# KiCad board ElonMux.kicad_pcb
title: EmuxAssemblyDocument; date: 2024-04-13; rev: 1.1; company: ${COMPANY}; note: Board2Pdf: FABRICATION_TOP - Page 1/9
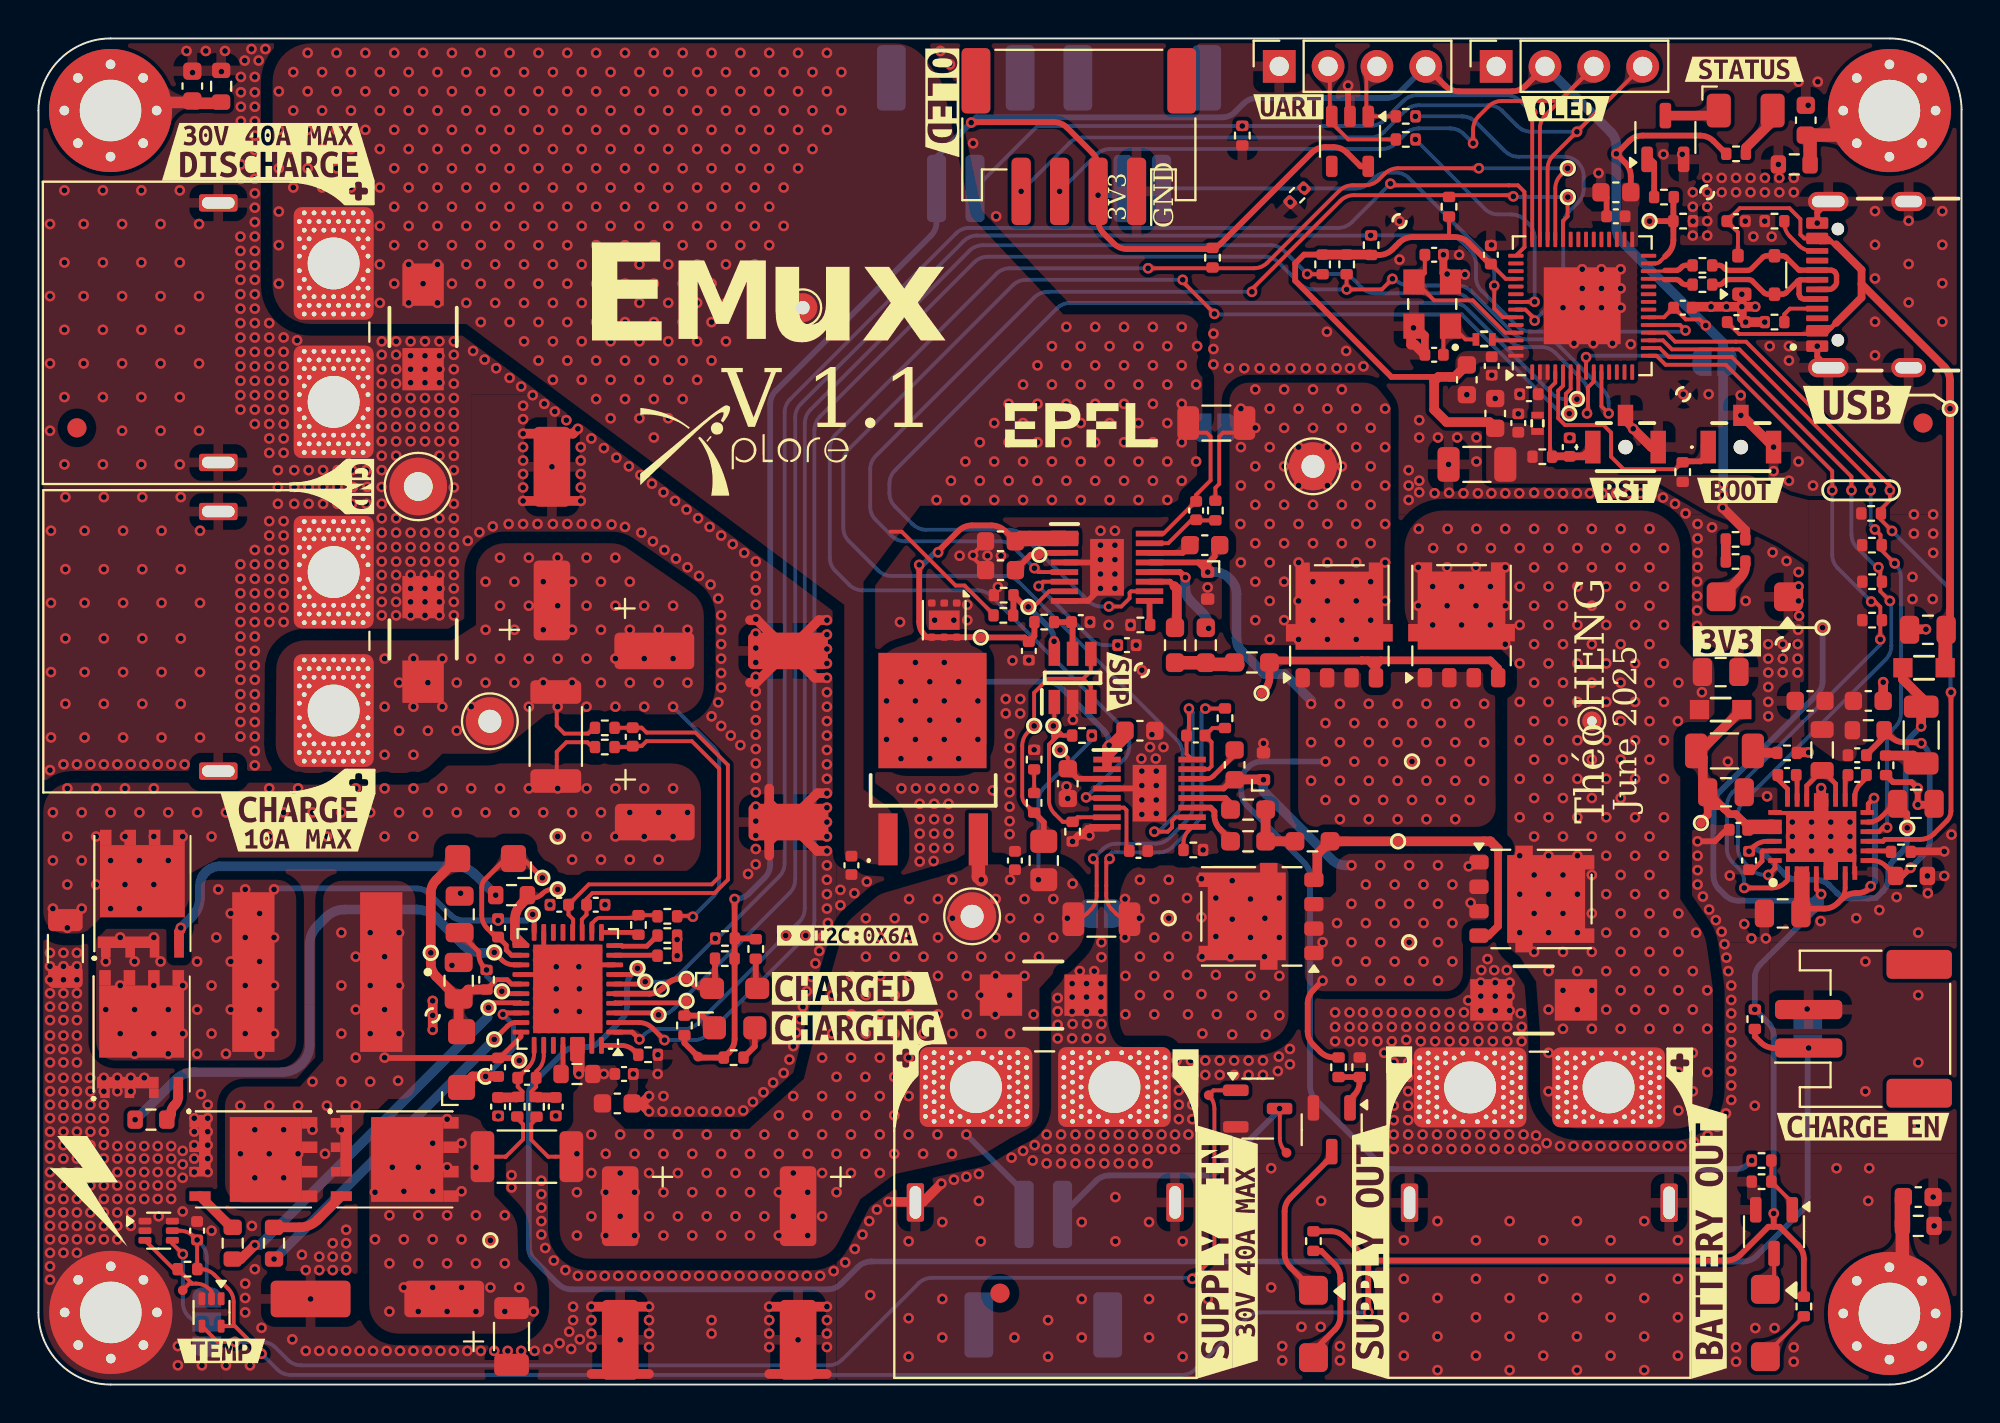
[diagram p0: board, top side]
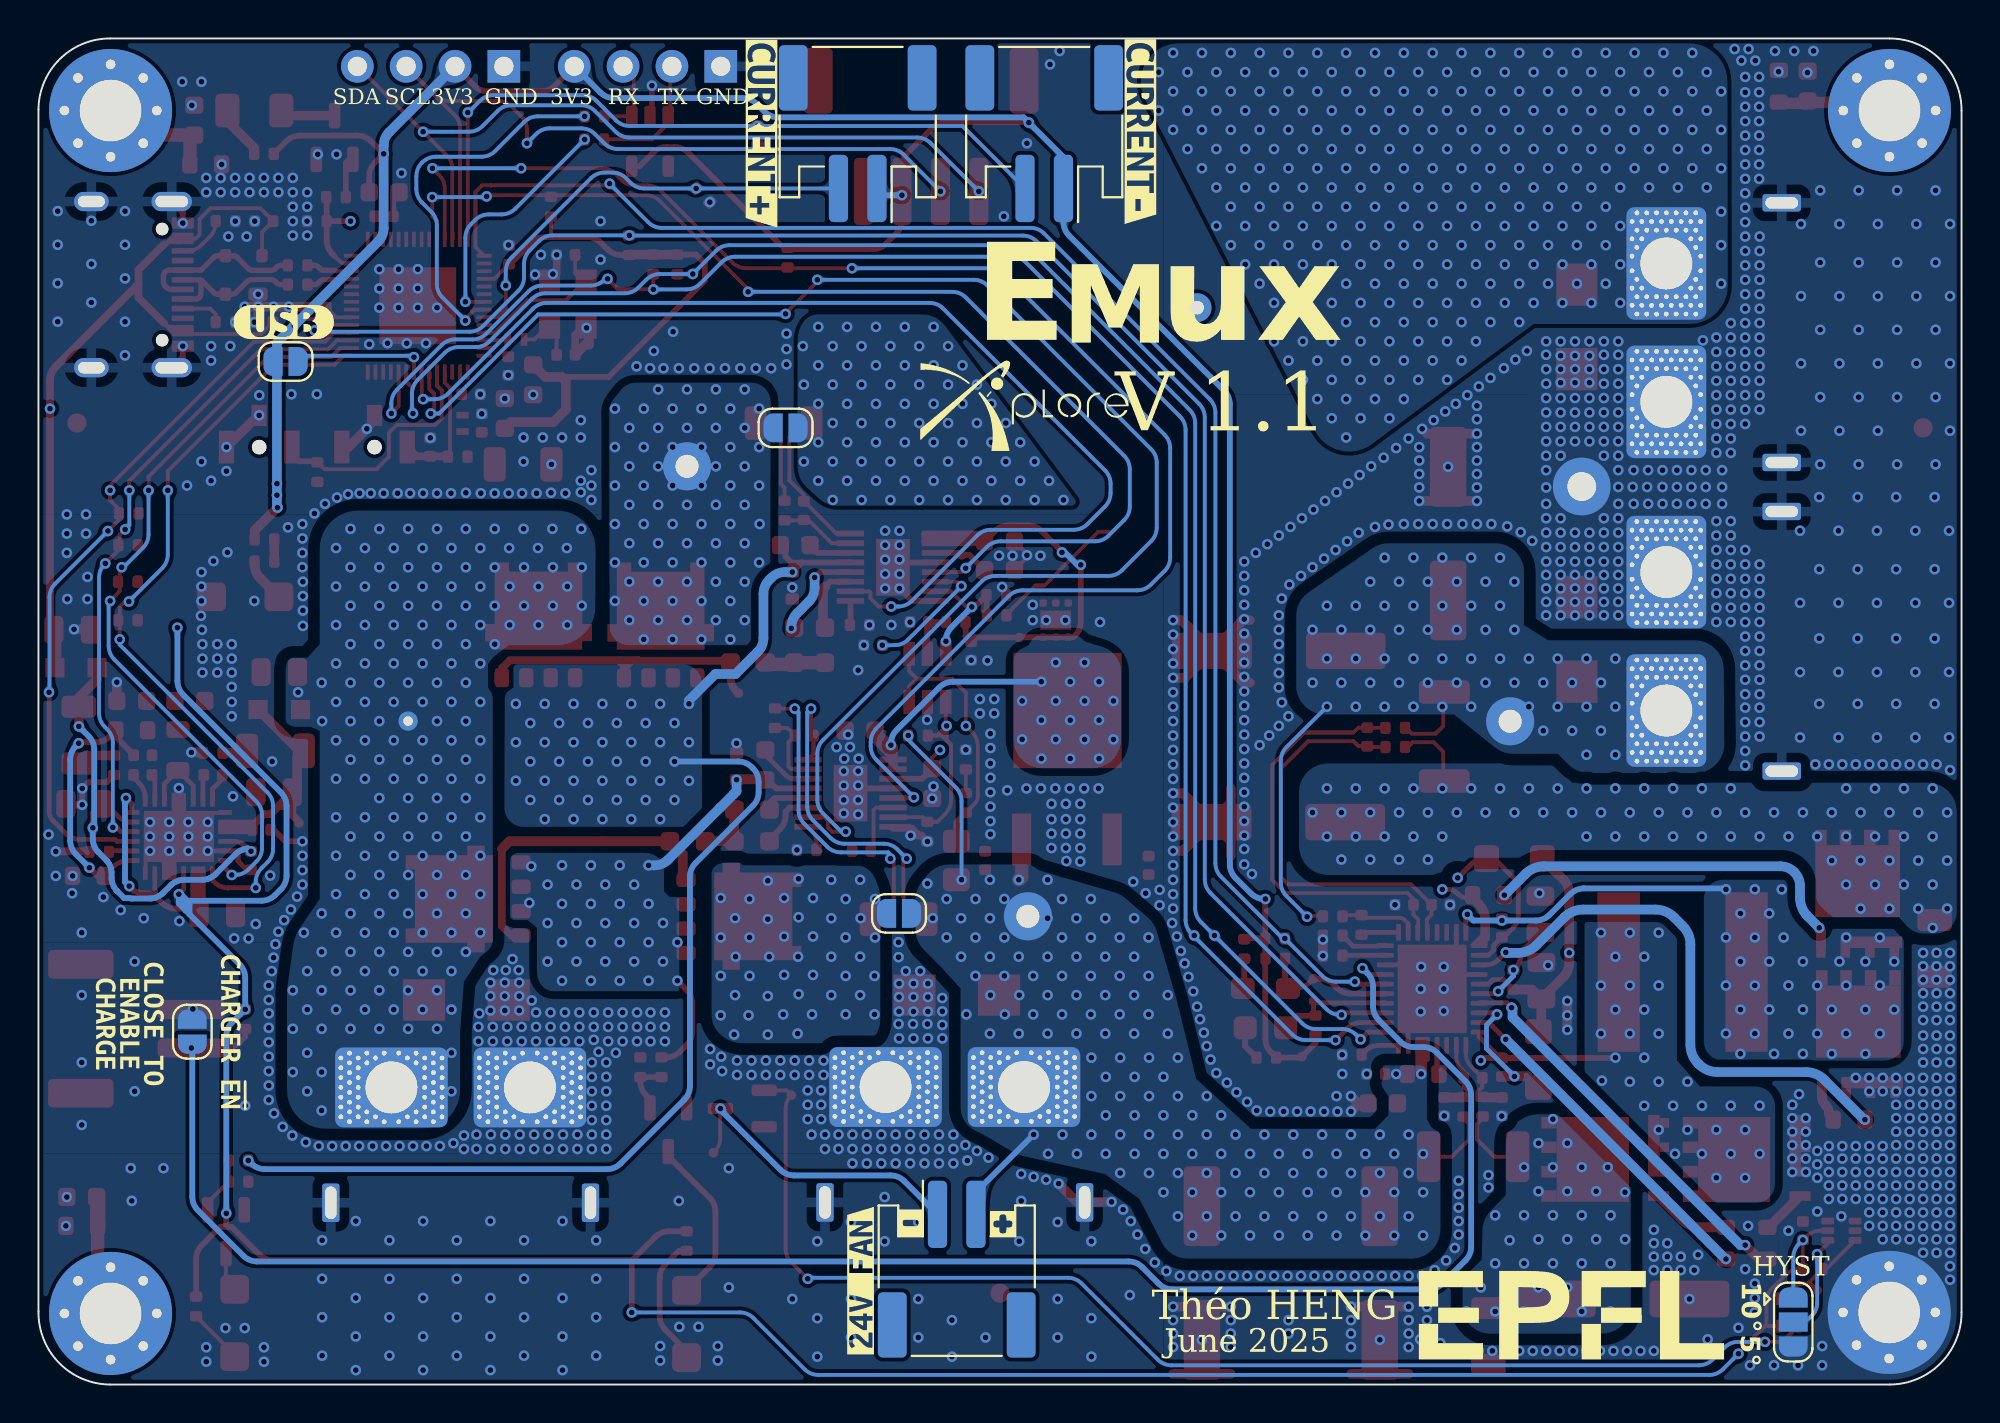
[diagram p1: board, bottom side, seen from below]

Outline 100 x 70 mm; copper layers: L1 (Sig, PWR), L2 (GND) (plane), L3 (GND) (plane), L4 (Sig, PWR). Coordinates in mm from the lower left corner of the outline.
Outline path: 0,66.25 arc(1.1,68.9) 3.75,70 96.28,70 arc(98.9,68.92) 100,66.3 100,3.8 arc(98.93,1.13) 96.28,0 3.75,0 arc(1.1,1.1) 0,3.75 0,66.25
Stack: L1 (Sig, PWR) 0.07mm / dielectric 0.203mm FR4_7628 er 4.29 / L2 (GND) 0.03mm / dielectric 1.03mm FR4 er 4.6 / L3 (GND) 0.03mm / dielectric 0.203mm FR4_7628 er 4.29 / L4 (Sig, PWR) 0.07mm

## Placement (name value [footprint] x y rotation side)
C401  1u X7R 50V  [C_0603_1608Metric]  82.03 62 180 top
C402  100n X7R 50V  [C_0402_1005Metric]  82.03 60.75 180 top
C403  10u X7R 50V  [C_1206_3216Metric]  74.8 47.85 180 top
C404  1u X7R 50V  [C_0603_1608Metric]  75.75 50.5 90 top
C405  100n X7R 50V  [C_0402_1005Metric]  76.95 50 90 top
C406  100n X7R 50V  [C_0402_1005Metric]  77.5 51.5 180 top
C407  100n X7R 50V  [C_0402_1005Metric]  85.5 56 0 top
C408  100n X7R 50V  [C_0402_1005Metric]  75.53 58.75 90 top
C409  10p C0G (NP0) 50V  [C_0402_1005Metric]  72.57 53.55 0 top
C410  10p C0G (NP0) 50V  [C_0402_1005Metric]  72.57 58.75 180 top
C411  1u X7R 50V  [C_0603_1608Metric]  74.28 52.25 270 top
C412  100n X7R 50V  [C_0402_1005Metric]  75.57 52.97 270 top
C413  100n X7R 50V  [C_0402_1005Metric]  79.62 48.75 90 top
C601  100n X7R 50V  [C_0402_1005Metric]  90.93 31.7 180 top
C602  100n X7R 50V  [C_0402_1005Metric]  94.57 31.7 0 top
C603  4u7 X7R 50V  [C_0805_2012Metric]  87.47 37.05 0 top
C604  10u X7R 50V  [C_1206_3216Metric]  87.68 32.95 0 top
C605  4u7 X7R 50V  [C_0805_2012Metric]  87.75 30.8 0 top
C606  100n X7R 50V  [C_0402_1005Metric]  88.4 28.85 180 top
C607  10p X7R 25V  [C_0402_1005Metric]  94.57 32.73 180 top
C608  22u X5R 10V  [C_0603_1608Metric]  92.12 35.55 0 top
C609  22u X5R 10V  [C_0603_1608Metric]  95.15 35.55 180 top
C610  4u7 X7R 50V  [C_0805_2012Metric]  98.25 39.25 180 top
C611  10u X7R 50V  [C_1206_3216Metric]  97.9 33.78 270 top
C612  4u7 X7R 50V  [C_0805_2012Metric]  97.62 30.2 0 top
C613  100n X7R 50V  [C_0402_1005Metric]  88.95 27.25 270 top
C614  4u7 X7R 50V  [C_0805_2012Metric]  90.7 24.5 180 top
C701  56u 63V  [CP_Elec_8x11.9]  39.5 5.8 270 top
C702  56u 63V  [CP_Elec_8x11.9]  30.25 5.8 270 top
C703  56u 63V  [CP_Elec_8x11.9]  17.62 4.45 180 top
C704  10u X7R 50V  [C_1206_3216Metric]  24.6 2.5 90 top
C705  10u X7R 50V  [C_1206_3216Metric]  1.4 22.68 90 top
C706  56u 63V  [CP_Elec_8x11.9]  35.53 29.25 0 top
C707  56u 63V  [CP_Elec_8x11.9]  26.7 44.25 90 top
C708  56u 63V  [CP_Elec_8x11.9]  35.5 38.15 0 top
C709  470n X7R 50V  [C_0402_1005Metric]  25.4 15.95 180 top
C710  100n X7R 50V  [C_0402_1005Metric]  23.9 16.5 270 top
C711  100n X7R 50V  [C_0402_1005Metric]  23.9 23.75 270 top
C712  470n X7R 50V  [C_0402_1005Metric]  30.9 33.68 90 top
C713  100n X7R 50V  [C_0402_1005Metric]  26.9 14.45 270 top
C714  100n X7R 50V  [C_0402_1005Metric]  23.9 14.45 270 top
C715  100n X7R 50V  [C_0402_1005Metric]  27.08 24.95 180 top
C716  100n X7R 50V  [C_0402_1005Metric]  28.98 24.95 0 top
C717  1u X7R 50V  [C_0603_1608Metric]  30.1 14.62 0 top
C718  100n X7R 50V  [C_0402_1005Metric]  30.45 16.15 0 top
C719  4u7 X7R 50V  [C_0805_2012Metric]  21.85 21 90 top
C720  4u7 X7R 50V  [C_0805_2012Metric]  21.9 24.45 90 top
C801  10n X7R 50V  [C_0402_1005Metric]  54.2 39.65 180 top
C802  100n X7R 50V  [C_0402_1005Metric]  60.18 33.75 180 top
C803  100n X7R 50V  [C_0402_1005Metric]  60.2 45.45 90 top
C805  150n X7R 50V  [C_0603_1608Metric]  60.65 43.65 0 top
C806  100n X7R 50V  [C_0402_1005Metric]  57.2 27.75 0 top
C807  100n X7R 50V  [C_0402_1005Metric]  56.6 38.45 0 top
C808  100n X7R 50V  [C_0402_1005Metric]  42.28 27 270 top
C809  100n X7R 50V  [C_0402_1005Metric]  50.78 27.25 90 top
C810  100n X7R 50V  [C_0402_1005Metric]  51.5 38.15 270 top
C811  1u X7R 50V  [C_0603_1608Metric]  57.28 34 0 top
C812  1u X7R 50V  [C_0603_1608Metric]  53.53 31.25 270 top
C813  1u X7R 50V  [C_0603_1608Metric]  50.03 43.85 180 top
C814  1u X7R 50V  [C_0603_1608Metric]  50.03 42.35 180 top
C815  150n X7R 50V  [C_0603_1608Metric]  62.2 32.23 270 top
C901  100n X7R 50V  [C_0402_1005Metric]  8.25 8 90 top
C1001  100n X7R 50V  [C_0402_1005Metric]  88.29 55.25 0 top
C1002  100n X7R 50V  [C_0402_1005Metric]  88.28 60.5 0 top
C1201  1n X7R 1kV  [C_0603_1608Metric]  91.9 65.75 90 top
C1202  1n X7R 1kV  [C_0603_1608Metric]  97.75 9.75 0 top
C1203  1n X7R 1kV  [C_0603_1608Metric]  8 67.53 90 top
D501  SMBJ30A  [DIOM5436X244N]  52.25 20.25 0 top
D502  SMBJ30A  [DIOM5436X244N]  20 38.75 90 top
D503  SMBJ30A  [DIOM5436X244N]  20 55 270 top
D504  SMBJ30A  [DIOM5436X244N]  77.75 20 180 top
D701  V1FM10-M3/H  [D_SMF]  22 16.9 90 top
D702  V1FM10-M3/H  [D_SMF]  23.25 27.35 180 top
D801  -  [STPS15L60CB-TR]  46.53 32.5 90 top
D802  ZHCS350TA  [D_SOD-523]  63.7 32.15 90 top
D803  ZHCS350TA  [D_SOD-523]  60.8 41.55 270 top
D1001  ESDS314  [SOT-23-5-TEXAS]  68.2 64.65 270 top
D1002  PRTR5V0U2X  [SOT-143]  89.32 57.7 90 top
FB601  1k @ 100MHz  [742792096]  87.47 35.1 0 top
FB602  1k @ 100MHz  [742792096]  98.05 37.28 180 top
FM1201  Fiducial  [Fiducial_1mm_Mask2mm]  2 49.75 0 top
FM1202  Fiducial  [Fiducial_1mm_Mask2mm]  50 4.75 0 top
FM1203  Fiducial  [Fiducial_1mm_Mask2mm]  98 50 0 top
H1201  M3 (3.2mm)  [MountingHole_3.2mm_M3_Pad_Via]  96.25 66.25 0 top
H1202  M3 (3.2mm)  [MountingHole_3.2mm_M3_Pad_Via]  3.76 3.75 0 top
H1203  M3 (3.2mm)  [MountingHole_3.2mm_M3_Pad_Via]  96.25 3.7 0 top
H1204  M3 (3.2mm)  [MountingHole_3.2mm_M3_Pad_Via]  3.75 66.25 0 top
IC601  LTC3126IUFD#PBF  [LTC3126EUFD]  92.7 28.5 90 top
IC801  -  [LTC7000EMSE#PBF]  57.78 30.75 0 top
IC802  -  [LTC7000EMSE#PBF]  55.56 42.5 0 top
IC803  -  [TPS3701DDCR]  53.78 36.75 90 top
IC901  TMP302AQDRLRQ1  [SOT-563]  6.25 8 0 top
J501  XT60PW-M  [AMASS_XT60PW-M_1x02_P7.20mm_Horizontal]  52.57 15.53 180 top
J502  XT60PW-F  [AMASS_XT60PW-F_1x02_P7.20mm_Horizontal]  15.35 42.25 90 top
J503  XT60PW-M  [AMASS_XT60PW-M_1x02_P7.20mm_Horizontal]  15.41 54.48 90 top
J504  XT60PW-F  [AMASS_XT60PW-F_1x02_P7.20mm_Horizontal]  74.44 15.45 180 top
J701  S2B-PH-SM4-TB  [JST_PH_S2B-PH-SM4-TB_1x02-1MP_P2.00mm_Horizontal]  94.9 18.5 90 top
J901  S2B-PH-SM4-TB  [JST_PH_S2B-PH-SM4-TB_1x02-1MP_P2.00mm_Horizontal]  52.25 6 180 bottom
J1001  Conn_01x04  [JST_PH_S4B-PH-SM4-TB_1x04-1MP_P2.00mm_Horizontal]  54.1 64.9 180 top
J1002  Conn_01x04  [PinSocket_1x04_P2.54mm_Vertical]  75.8 68.55 90 top
J1003  Conn_01x04  [PinSocket_1x04_P2.54mm_Vertical]  64.52 68.55 90 top
J1004  USB4105-GF-A  [GCT_USB4105-GF-A]  97.25 57.2 90 top
J1005  S2B-PH-SM4-TB  [JST_PH_S2B-PH-SM4-TB_1x02-1MP_P2.00mm_Horizontal]  47.7 65.05 0 bottom
J1006  S2B-PH-SM4-TB  [JST_PH_S2B-PH-SM4-TB_1x02-1MP_P2.00mm_Horizontal]  57.4 65.05 0 bottom
JP401  Solder Jumper  [SolderJumper-2_P1.3mm_Open_RoundedPad1.0x1.5mm]  87.15 53.2 0 bottom
JP701  Solder Jumper  [SolderJumper-2_P1.3mm_Open_RoundedPad1.0x1.5mm]  92 18.35 90 bottom
JP801  SolderJumper_2_Open  [SolderJumper-2_P1.3mm_Open_RoundedPad1.0x1.5mm]  55.25 24.5 0 bottom
JP802  SolderJumper_2_Open  [SolderJumper-2_P1.3mm_Open_RoundedPad1.0x1.5mm]  61.15 49.75 0 bottom
JP901  SolderJumper_3_Open  [SolderJumper-3_P1.3mm_Open_RoundedPad1.0x1.5mm]  8.75 3.25 270 bottom
kibuzzard-672E4F7C  G***  [kibuzzard-672E4F7C]  86.88 7.45 90 top
kibuzzard-672E4F45  G***  [kibuzzard-672E4F45]  69.22 6.9 90 top
kibuzzard-684AD619  G***  [kibuzzard-684AD619]  56.2 36.55 270 top
kibuzzard-684C4A32  G***  [kibuzzard-684C4A32]  47 66.65 270 top
kibuzzard-684C4E0B  G***  [kibuzzard-684C4E0B]  79.4 66.35 0 top
kibuzzard-684C4E37  G***  [kibuzzard-684C4E37]  65 66.45 0 top
kibuzzard-684C4F97  G***  [kibuzzard-684C4F97]  62.4 65.05 270 bottom
kibuzzard-684C4FDB  G***  [kibuzzard-684C4FDB]  42.7 65.15 270 bottom
kibuzzard-687E97C9  G***  [kibuzzard-687E97C9]  9.5 1.75 0 top
kibuzzard-687E961C  G***  [kibuzzard-687E961C]  96.5 18.75 270 bottom
kibuzzard-687E963C  G***  [kibuzzard-687E963C]  95.25 18.75 270 bottom
kibuzzard-687E9610  G***  [kibuzzard-687E9610]  94 18.75 270 bottom
kibuzzard-6791A6CC  G***  [kibuzzard-6791A6CC]  16.8 46.7 270 top
kibuzzard-6791A8B2  G***  [kibuzzard-6791A8B2]  16.65 31.3 0 top
kibuzzard-6791A89C  G***  [kibuzzard-6791A89C]  45.1 16.98 90 top
kibuzzard-6791A89C#2  G***  [kibuzzard-6791A89C]  16.64 62.06 0 top
kibuzzard-6791A316  G***  [kibuzzard-6791A316]  13.5 29.9 0 top
kibuzzard-6791A418  G***  [kibuzzard-6791A418]  11.95 63.45 0 top
kibuzzard-6791AB96  G***  [kibuzzard-6791AB96]  85.35 16.73 90 top
kibuzzard-6791AB96#2  G***  [kibuzzard-6791AB96]  49.85 8.35 270 bottom
kibuzzard-6874CF1D  G***  [kibuzzard-6874CF1D]  62.75 6.88 90 top
kibuzzard-6874CF3E  G***  [kibuzzard-6874CF3E]  11.95 64.95 0 top
kibuzzard-6874E9F8  G***  [kibuzzard-6874E9F8]  57.25 5.4 90 bottom
kibuzzard-67681CCF  G***  [kibuzzard-67681CCF]  87.25 55.25 180 bottom
kibuzzard-67929D82  G***  [kibuzzard-67929D82]  13.5 28.38 0 top
kibuzzard-67929F6A  G***  [kibuzzard-67929F6A]  42.45 20.6 0 top
kibuzzard-67929F71  G***  [kibuzzard-67929F71]  42.7 18.55 0 top
kibuzzard-67929FDE  G***  [kibuzzard-67929FDE]  88.7 68.4 0 top
kibuzzard-67955FDB  G***  [kibuzzard-67955FDB]  70.75 16.88 0 top
kibuzzard-67955FDB#2  G***  [kibuzzard-67955FDB]  59.65 16.73 0 top
kibuzzard-67955FDB#3  G***  [kibuzzard-67955FDB]  54.65 8.4 0 bottom
kibuzzard-67976BE0  G***  [kibuzzard-67976BE0]  43.05 23.35 0 top
kibuzzard-671813D9  G***  [kibuzzard-671813D9]  87.8 38.65 0 top
kibuzzard-676056D8  G***  [kibuzzard-676056D8]  94.88 13.41 0 top
kibuzzard-679196AC  G***  [kibuzzard-679196AC]  90 18.35 270 bottom
kibuzzard-67180105  G***  [kibuzzard-67180105]  94.57 50.95 0 top
kibuzzard-67181757  G***  [kibuzzard-67181757]  82.53 46.5 0 top
kibuzzard-67181780  G***  [kibuzzard-67181780]  88.53 46.5 0 top
kibuzzard-67956077  G***  [kibuzzard-67956077]  61.18 6.89 90 top
L401  2n (0.1n)  [LQG15WH2N0B02D]  77.95 49.99 90 top
L402  24n 2%  [MHQ1005P24NGTD25]  75.18 54.35 0 top
L601  4u7  [L_0805_2012Metric]  92.75 33 90 top
L701  3u3  [78439369033]  14.5 21.45 270 top
LED601  RED  [BIVAR_LED_1206]  89.25 40.97 180 top
LED701  GREEN  [KingBright_LED_0805]  36.2 20.6 0 top
LED702  ORANGE  [BIVAR_LED_0805]  36.2 18.55 0 top
LED801  RED  [BIVAR_LED_1206]  66.3 3.15 270 top
LED802  RED  [BIVAR_LED_1206]  89.8 3.2 270 top
LED1101  YELLOW  [LED_1206_3216Metric]  88.78 66.25 0 top
NT701  NetTie_IN+  [NetTie-2_SMD_Pad0.2mm]  26.7 11.85 0 top
NT702  NetTie_IN-  [NetTie-2_SMD_Pad0.2mm]  24.1 11.85 180 top
NT703  NetTie_OUT+  [NetTie-2_SMD_Pad0.2mm]  26.95 32.7 270 top
NT704  NetTie_OUT-  [NetTie-2_SMD_Pad0.2mm]  26.95 34.45 90 top
NT801  NetTie_shunt_supply+  [NetTie-2_SMD_Pad0.2mm]  55.03 25.75 90 top
NT802  NetTie_shunt_bat-  [NetTie-2_SMD_Pad0.2mm]  55.53 25.75 90 top
NT803  NetTie_TS1  [NetTie-2_SMD_Pad0.5mm]  64.2 30.35 315 bottom
NT804  NetTie_TS2  [NetTie-2_SMD_Pad0.5mm]  64.25 36.95 0 bottom
NT805  NetTie_shunt_bat+  [NetTie-2_SMD_Pad0.2mm]  60.55 49.5 0 top
NT806  NetTie_shunt_bat-  [NetTie-2_SMD_Pad0.2mm]  61.8 49.5 180 top
Q701  -  [BSC059N04LS6ATMA1]  18.23 11.73 270 top
Q702  -  [BSC059N04LS6ATMA1]  5.38 25.23 0 top
Q703  -  [BSC059N04LS6ATMA1]  10.88 11.73 270 top
Q704  -  [BSC059N04LS6ATMA1]  5.34 17.93 0 top
Q801  PMV90ENER  [SOT-23-3]  67.25 13.25 270 top
Q802  NVMFS5C604NLAFT1G  [ONSemi_SO-8FL-4]  63.57 24.35 180 top
Q803  NVMFS5C604NLAFT1G  [ONSemi_SO-8FL-4]  77.66 25.25 0 top
Q804  NVMFS5C604NLAFT1G  [ONSemi_SO-8FL-4]  67.65 39.5 90 top
Q805  NVMFS5C604NLAFT1G  [ONSemi_SO-8FL-4]  74 39.51 90 top
Q806  PMV90ENER  [SOT-23-3]  90.25 7.95 270 top
Q901  PMV90ENER  [SOT-23-3]  63.4 14.35 0 top
Q1101  PMV90ENER  [SOT-23-3]  84.6 64.85 90 top
R401  10k 1%  [R_0402_1005Metric]  66.78 58.25 270 top
R402  10k 1%  [R_0402_1005Metric]  68.03 58.25 270 top
R403  100k 1%  [R_0402_1005Metric]  73.35 61.25 90 top
R404  100k 1%  [R_0402_1005Metric]  61.05 58.6 270 top
R405  100k 1%  [R_0402_1005Metric]  69.3 59.25 90 top
R406  100k 1%  [R_0402_1005Metric]  35.7 23.2 180 top
R407  10k 1%  [R_0402_1005Metric]  78.2 48.25 0 top
R408  10k 1%  [R_0402_1005Metric]  85.5 47.45 90 top
R601  1R 1%  [R_0402_1005Metric]  90.93 32.85 180 top
R602  100R 1% 0.2W  [R_0402_1005Metric]  88.25 43.95 180 top
R603  100k 1%  [R_0402_1005Metric]  95.34 43.65 0 top
R604  100k 1%  [R_0402_1005Metric]  95.35 41.75 0 top
R605  100k 1%  [R_0402_1005Metric]  95.35 39.75 0 top
R606  100k 1%  [R_0402_1005Metric]  95.3 45.3 0 top
R607  909k 1%  [R_0603_1608Metric]  95.15 34.03 0 top
R608  100R 1% 0.2W  [R_0402_1005Metric]  88.25 42.8 0 top
R609  301k 1%  [R_0603_1608Metric]  97.4 26.45 0 top
R610  1R 1%  [R_0402_1005Metric]  96.07 32.2 90 top
R611  44k2 1%  [R_0402_1005Metric]  96.85 27.7 0 top
R701  5m 1% 1W  [R_2010_5025Metric]  25.4 11.85 180 top
R702  5m 1% 1W  [R_2010_5025Metric]  26.9 33.7 90 top
R703  0R 1%  [R_0603_1608Metric]  12.25 7.35 90 top
R704  0R 1%  [R_0603_1608Metric]  24.6 25.45 180 top
R705  10R 1%  [R_0402_1005Metric]  25.9 14.44 270 top
R706  10R 1%  [R_0402_1005Metric]  24.9 14.45 270 top
R707  10R 1%  [R_0402_1005Metric]  29.45 33.15 180 top
R708  10R 1%  [R_0402_1005Metric]  29.45 34.15 180 top
R709  0R 1%  [R_0603_1608Metric]  10.1 7.35 90 top
R710  0R 1%  [R_0603_1608Metric]  5.85 13.78 0 top
R711  249k 0.1%  [R_0402_1005Metric]  32.7 24.35 0 top
R712  0R 1%  [R_0603_1608Metric]  28 16.15 180 top
R713  14k 0.1%  [R_0402_1005Metric]  31.2 23.9 90 top
R714  10R 1%  [R_0402_1005Metric]  23.3 21.05 270 top
R715  40k 0.1%  [R_0402_1005Metric]  31.7 17.15 0 top
R716  5k 1%  [R_0402_1005Metric]  32.7 22.3 0 top
R717  1k 1%  [R_0402_1005Metric]  32.7 23.35 0 top
R718  100k 1%  [R_0402_1005Metric]  89.25 19 270 top
R719  100k 1%  [R_0402_1005Metric]  33.59 18.67 90 top
R720  100k 1%  [R_0402_1005Metric]  35.69 22.15 180 top
R721  56R 1% 0.1W  [R_0402_1005Metric]  37.3 22.65 90 top
R722  56R 1% 0.1W  [R_0402_1005Metric]  36.15 17 180 top
R801  100R 1% 0.2W  [R_0402_1005Metric]  66.3 7.46 270 top
R802  20k5 1%  [R_0402_1005Metric]  67.6 16.5 270 top
R803  0R 1%  [R_0603_1608Metric_Pad0.98x0.95mm_HandSolder]  66.25 28.25 180 top
R804  10k 1%  [R_0402_1005Metric]  68.7 16.5 90 top
R805  1m 1% 2W  [R_1206_3216Metric]  55.28 24.2 0 top
R806  100R 1% 0.2W  [R_0402_1005Metric]  91.8 4.06 270 top
R807  1m 1% 2W  [R_1206_3216Metric]  61.25 50 0 top
R808  20k5 1%  [R_0402_1005Metric]  89.6 11.65 0 top
R809  0R 1%  [R_0603_1608Metric_Pad0.98x0.95mm_HandSolder]  63.1 37.55 180 top
R810  10k 1%  [R_0402_1005Metric]  89.6 10.55 180 top
R811  240k 1%  [R_0805_2012Metric_Pad1.20x1.40mm_HandSolder]  52.28 27.25 90 top
R812  100R 1% 0.2W  [R_0402_1005Metric]  52.3 39.65 0 top
R813  20k5 1%  [R_0402_1005Metric]  54.26 33.75 180 top
R814  20k5 1%  [R_0402_1005Metric]  50.18 40 0 top
R815  100R 1% 0.2W  [R_0402_1005Metric]  61.7 34.65 90 top
R816  100R 1% 0.2W  [R_0402_1005Metric]  61.2 45.45 90 top
R817  178k 1%  [R_0603_1608Metric_Pad0.98x0.95mm_HandSolder]  62.9 29.9 0 top
R818  178k 1%  [R_0603_1608Metric_Pad0.98x0.95mm_HandSolder]  60.7 38.45 270 top
R819  0R 1%  [R_0603_1608Metric_Pad0.98x0.95mm_HandSolder]  62.9 28.25 0 top
R820  0R 1%  [R_0603_1608Metric_Pad0.98x0.95mm_HandSolder]  59.1 38.45 270 top
R821  100R 1% 0.2W  [R_0402_1005Metric]  51.78 30.25 90 top
R822  10k 1%  [R_0402_1005Metric]  51.78 32.5 90 top
R823  10k 1%  [R_0402_1005Metric]  53.78 28.75 270 top
R824  10k 1%  [R_0402_1005Metric]  50.19 41.05 180 top
R825  100k 1%  [R_0402_1005Metric]  60.05 27.8 0 top
R826  100k 1%  [R_0402_1005Metric]  57.3 39.5 180 top
R901  10k 1%  [R_0402_1005Metric]  7.75 6 180 top
R1001  27R 1%  [R_0402_1005Metric]  71.1 65.95 180 top
R1002  27R 1%  [R_0402_1005Metric]  71.1 64.75 180 top
R1003  5k1 1%  [R_0402_1005Metric]  90.28 55.25 0 top
R1004  5k1 1%  [R_0402_1005Metric]  90.28 60.5 0 top
R1005  27R 1%  [R_0402_1005Metric]  86.53 57.2 0 top
R1006  27R 1%  [R_0402_1005Metric]  86.53 58.2 0 top
R1007  100k 1%  [R_0402_1005Metric]  62.6 64.95 270 top
R1008  100k 1%  [R_0402_1005Metric]  65.45 61.85 225 top
R1101  56R 1% 0.1W  [R_0402_1005Metric]  88.28 64 0 top
R1102  100R 1% 0.2W  [R_0402_1005Metric]  84.53 61.75 0 top
R1103  100k 1%  [R_0402_1005Metric]  85.53 60.5 0 top
R1201  0R 1%  [R_0603_1608Metric]  91.3 63.45 180 top
R1202  0R 1%  [R_0603_1608Metric]  97.75 8.25 0 top
R1203  0R 1%  [R_0603_1608Metric]  9.5 67.52 90 top
S401  B3U-1100P-B  [B3U1100PB]  82.53 48.75 180 top
S402  B3U-1100P-B  [B3U1100PB]  88.53 48.75 180 top
TP401  SCL  [TestPoint_Pad_D0.5mm_Front]  38.85 23.35 0 top
TP402  SDA  [TestPoint_Pad_D0.5mm_Front]  39.9 23.35 0 top
TP403  CHARGER_STATUS  [TestPoint_Pad_D0.5mm_Front]  32.24 19.23 0 top
TP404  LED_DBG  [TestPoint_Pad_D0.5mm_Front]  83.78 60.5 0 top
TP405  PRIORITY  [TestPoint_Pad_D0.5mm_Front]  95.28 46.5 0 top
TP406  VALID1  [TestPoint_Pad_D0.5mm_Front]  94.28 46.5 0 top
TP407  VALID2  [TestPoint_Pad_D0.5mm_Front]  93.28 46.5 0 top
TP408  PGOOD  [TestPoint_Pad_D0.5mm_Front]  96.28 46.5 0 top
TP409  FAULT1  [TestPoint_Pad_D0.5mm_Front]  79.51 63.25 0 top
TP410  FAULT2  [TestPoint_Pad_D0.5mm_Front]  79.53 61.75 0 top
TP411  IMON1  [TestPoint_Pad_D0.5mm_Front]  79.59 50.49 0 top
TP412  IMON2  [TestPoint_Pad_D0.5mm_Front]  80 51.25 0 top
TP413  MODE  [TestPoint_Pad_D0.5mm_Front]  31.55 20.95 0 top
TP414  GND  [TestPoint_Pad_D0.5mm_Front]  70.78 60.5 0 top
TP415  GND  [TestPoint_Pad_D0.5mm_Front]  85.55 51.5 0 top
TP601  +VOUT  [TestPoint_THTPad_D1.0mm_Drill0.5mm]  80.78 34.5 0 top
TP602  PVIN1  [TestPoint_Pad_D0.5mm_Front]  86.45 29.2 0 top
TP603  PVIN2  [TestPoint_Pad_D0.5mm_Front]  97.18 28.95 0 top
TP604  +3V3  [TestPoint_Pad_D0.5mm_Front]  92.78 39.36 0 top
TP605  GND  [TestPoint_Pad_D0.5mm_Front]  90.7 38.5 0 top
TP701  +VCHARGE  [TestPoint_Pad_D0.5mm_Front]  27 28.5 0 top
TP702  +VCHARGE_O  [TestPoint_THTPad_D2.5mm_Drill1.2mm]  23.47 34.49 0 top
TP703  +VSUPPLY_C  [TestPoint_Pad_D0.5mm_Front]  23.5 7.5 0 top
TP704  HIDRV1  [TestPoint_Pad_D0.5mm_Front]  23.7 17.95 0 top
TP705  HIDRV2  [TestPoint_Pad_D0.5mm_Front]  27 25.75 0 top
TP706  LODRV1  [TestPoint_Pad_D0.5mm_Front]  23.4 19.6 0 top
TP707  LODRV2  [TestPoint_Pad_D0.5mm_Front]  23.7 22.48 0 top
TP708  SW1  [TestPoint_Pad_D0.5mm_Front]  25 16.85 0 top
TP709  SW2  [TestPoint_Pad_D0.5mm_Front]  25.7 24.45 0 top
TP710  STAT1  [TestPoint_Pad_D0.5mm_Front]  33.7 19.95 0 top
TP711  STAT2  [TestPoint_Pad_D0.5mm_Front]  33.7 21.1 0 top
TP712  CEn  [TestPoint_Pad_D0.5mm_Front]  31.15 21.65 0 top
TP713  DRV_SUP  [TestPoint_Pad_D0.5mm_Front]  20.4 22.45 0 top
TP714  REGN  [TestPoint_Pad_D0.5mm_Front]  24.09 20.45 0 top
TP715  BTST1  [TestPoint_Pad_D0.5mm_Front]  23.25 16.03 0 top
TP716  BTST2  [TestPoint_Pad_D0.5mm_Front]  26.2 26.35 0 top
TP717  +3V3  [TestPoint_Pad_D0.5mm_Front]  34.3 17.05 0 top
TP718  GND  [TestPoint_Pad_D0.5mm_Front]  20.5 19.2 0 top
TP719  GND  [TestPoint_THTPad_D3.0mm_Drill1.5mm]  19.75 46.7 0 top
TP801  SOURCE1  [TestPoint_Pad_D0.5mm_Front]  71.28 23 0 top
TP802  OUTA  [TestPoint_Pad_D0.5mm_Front]  52.78 34.25 0 top
TP803  SOURCE2  [TestPoint_Pad_D0.5mm_Front]  71.43 32.4 0 top
TP804  OUTB  [TestPoint_Pad_D0.5mm_Front]  51.47 40.44 0 top
TP805  GATE1  [TestPoint_Pad_D0.5mm_Front]  70.7 28.25 0 top
TP806  INX  [TestPoint_Pad_D0.5mm_Front]  51.78 34.25 0 top
TP807  GATE2  [TestPoint_Pad_D0.5mm_Front]  63.6 35.95 0 top
TP808  VCC1  [TestPoint_Pad_D0.5mm_Front]  53.12 33 0 top
TP809  +VSUPPLY  [TestPoint_THTPad_D2.5mm_Drill1.2mm]  48.55 24.35 0 top